# KiCad board FSKGroundStation.kicad_pcb
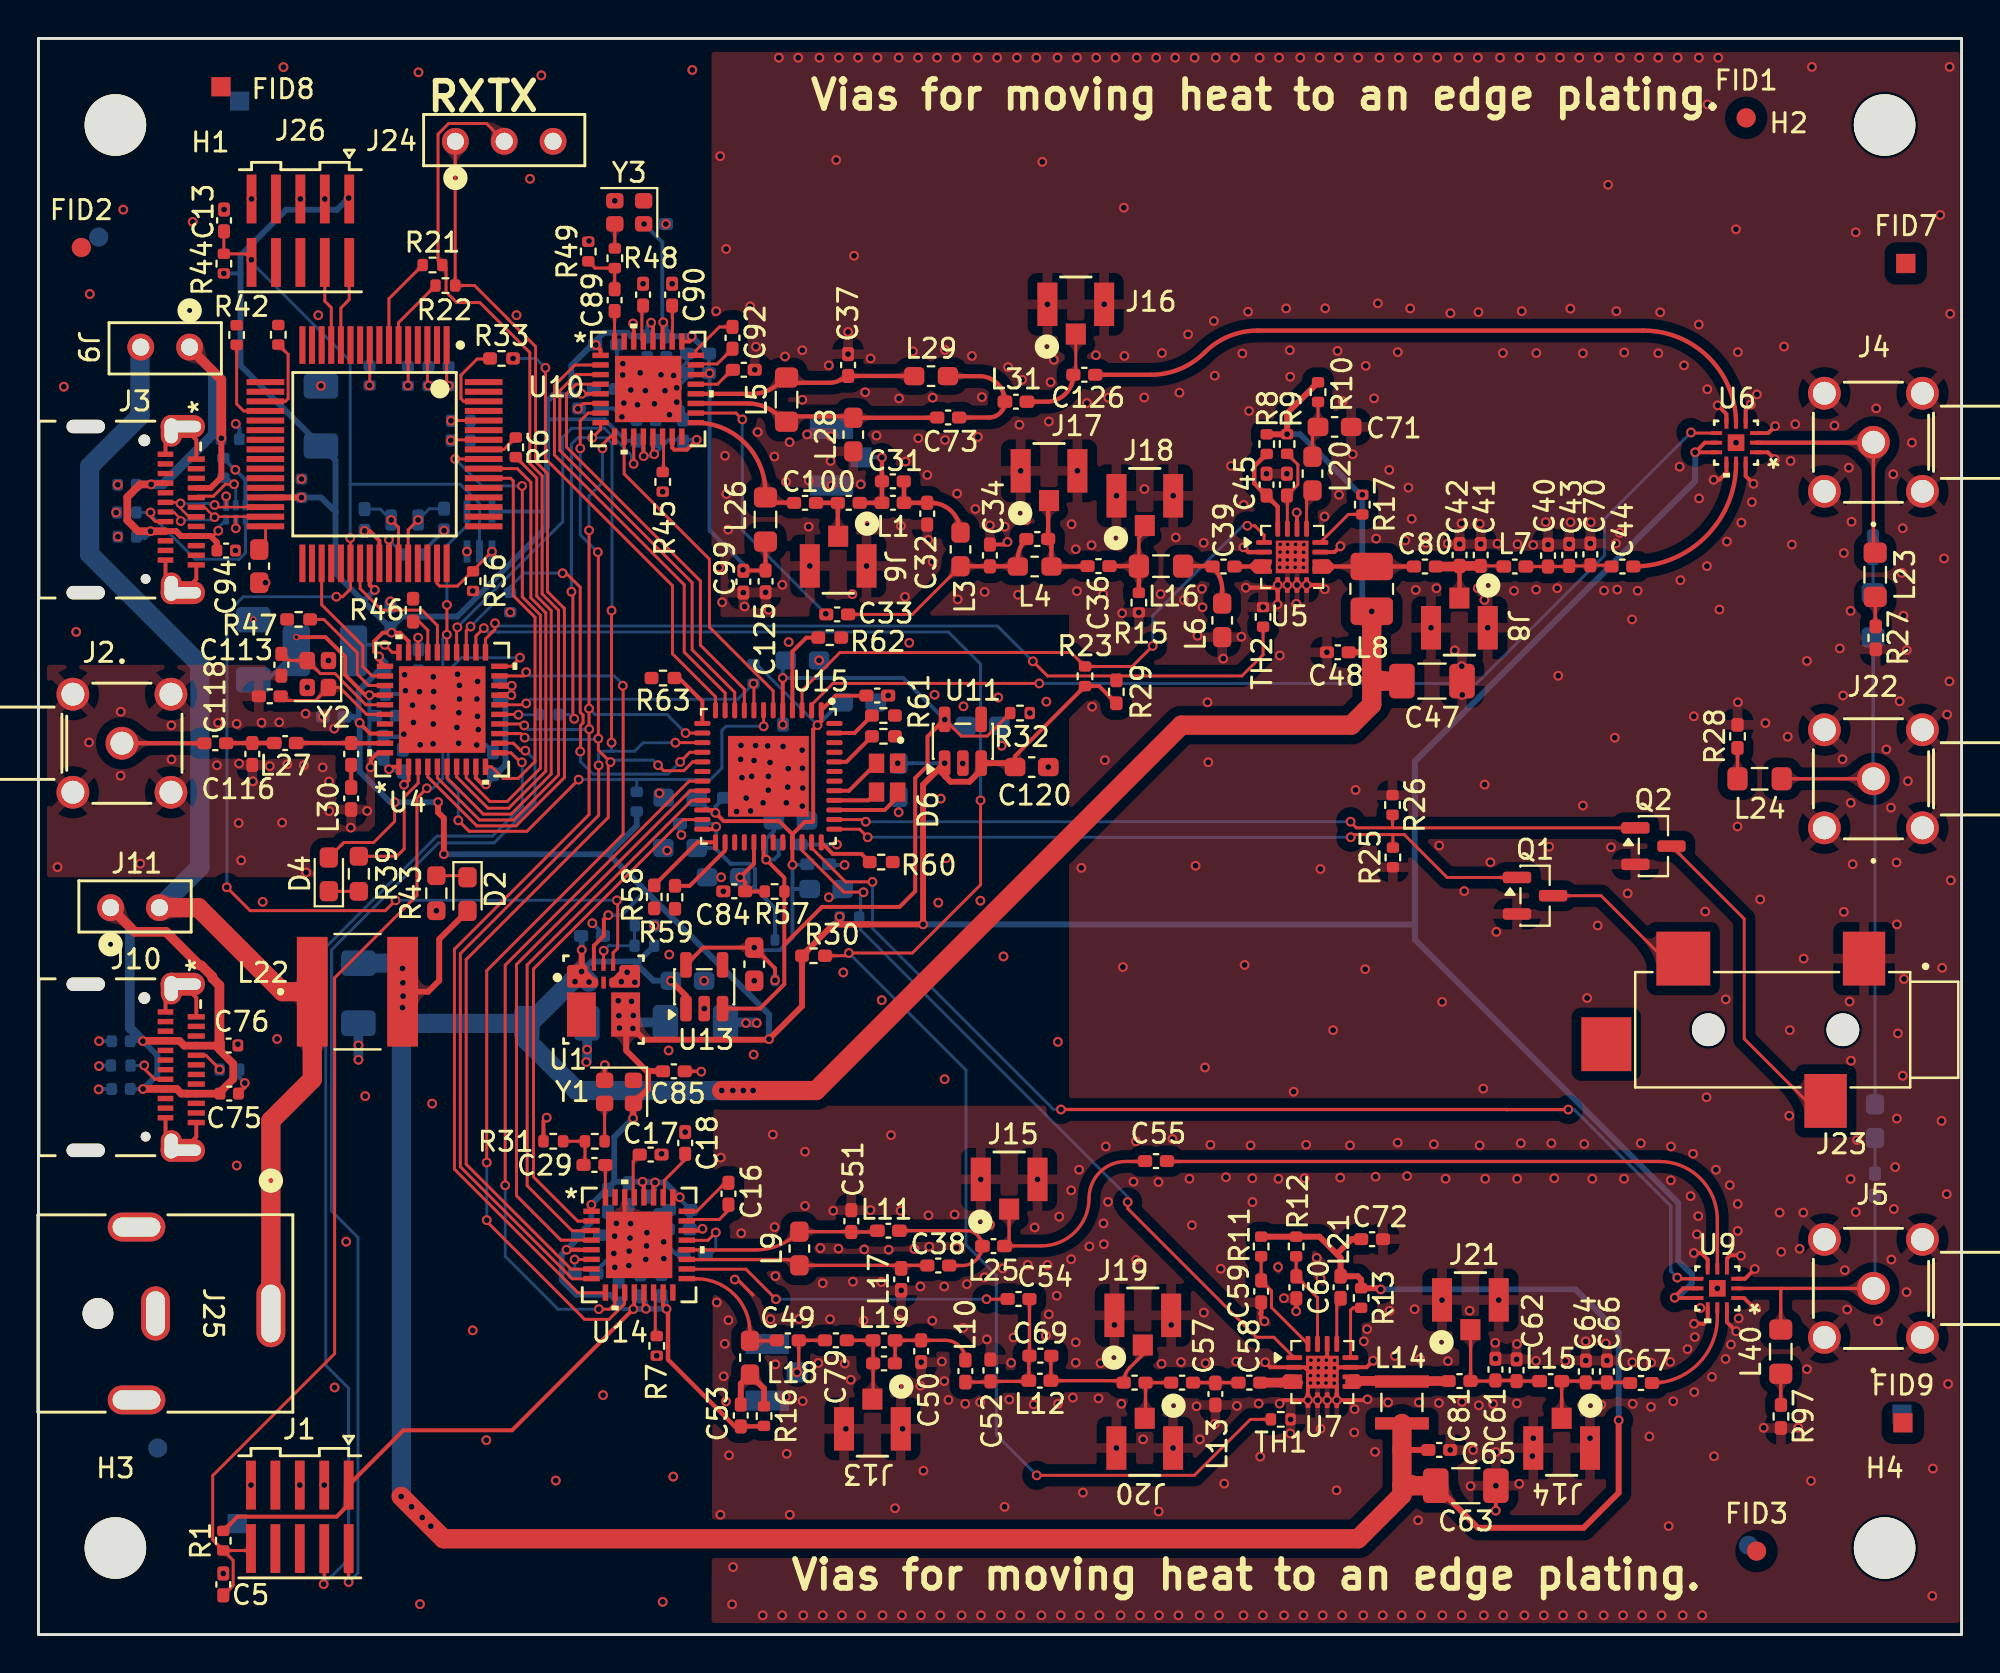
[diagram p0: board, top side]
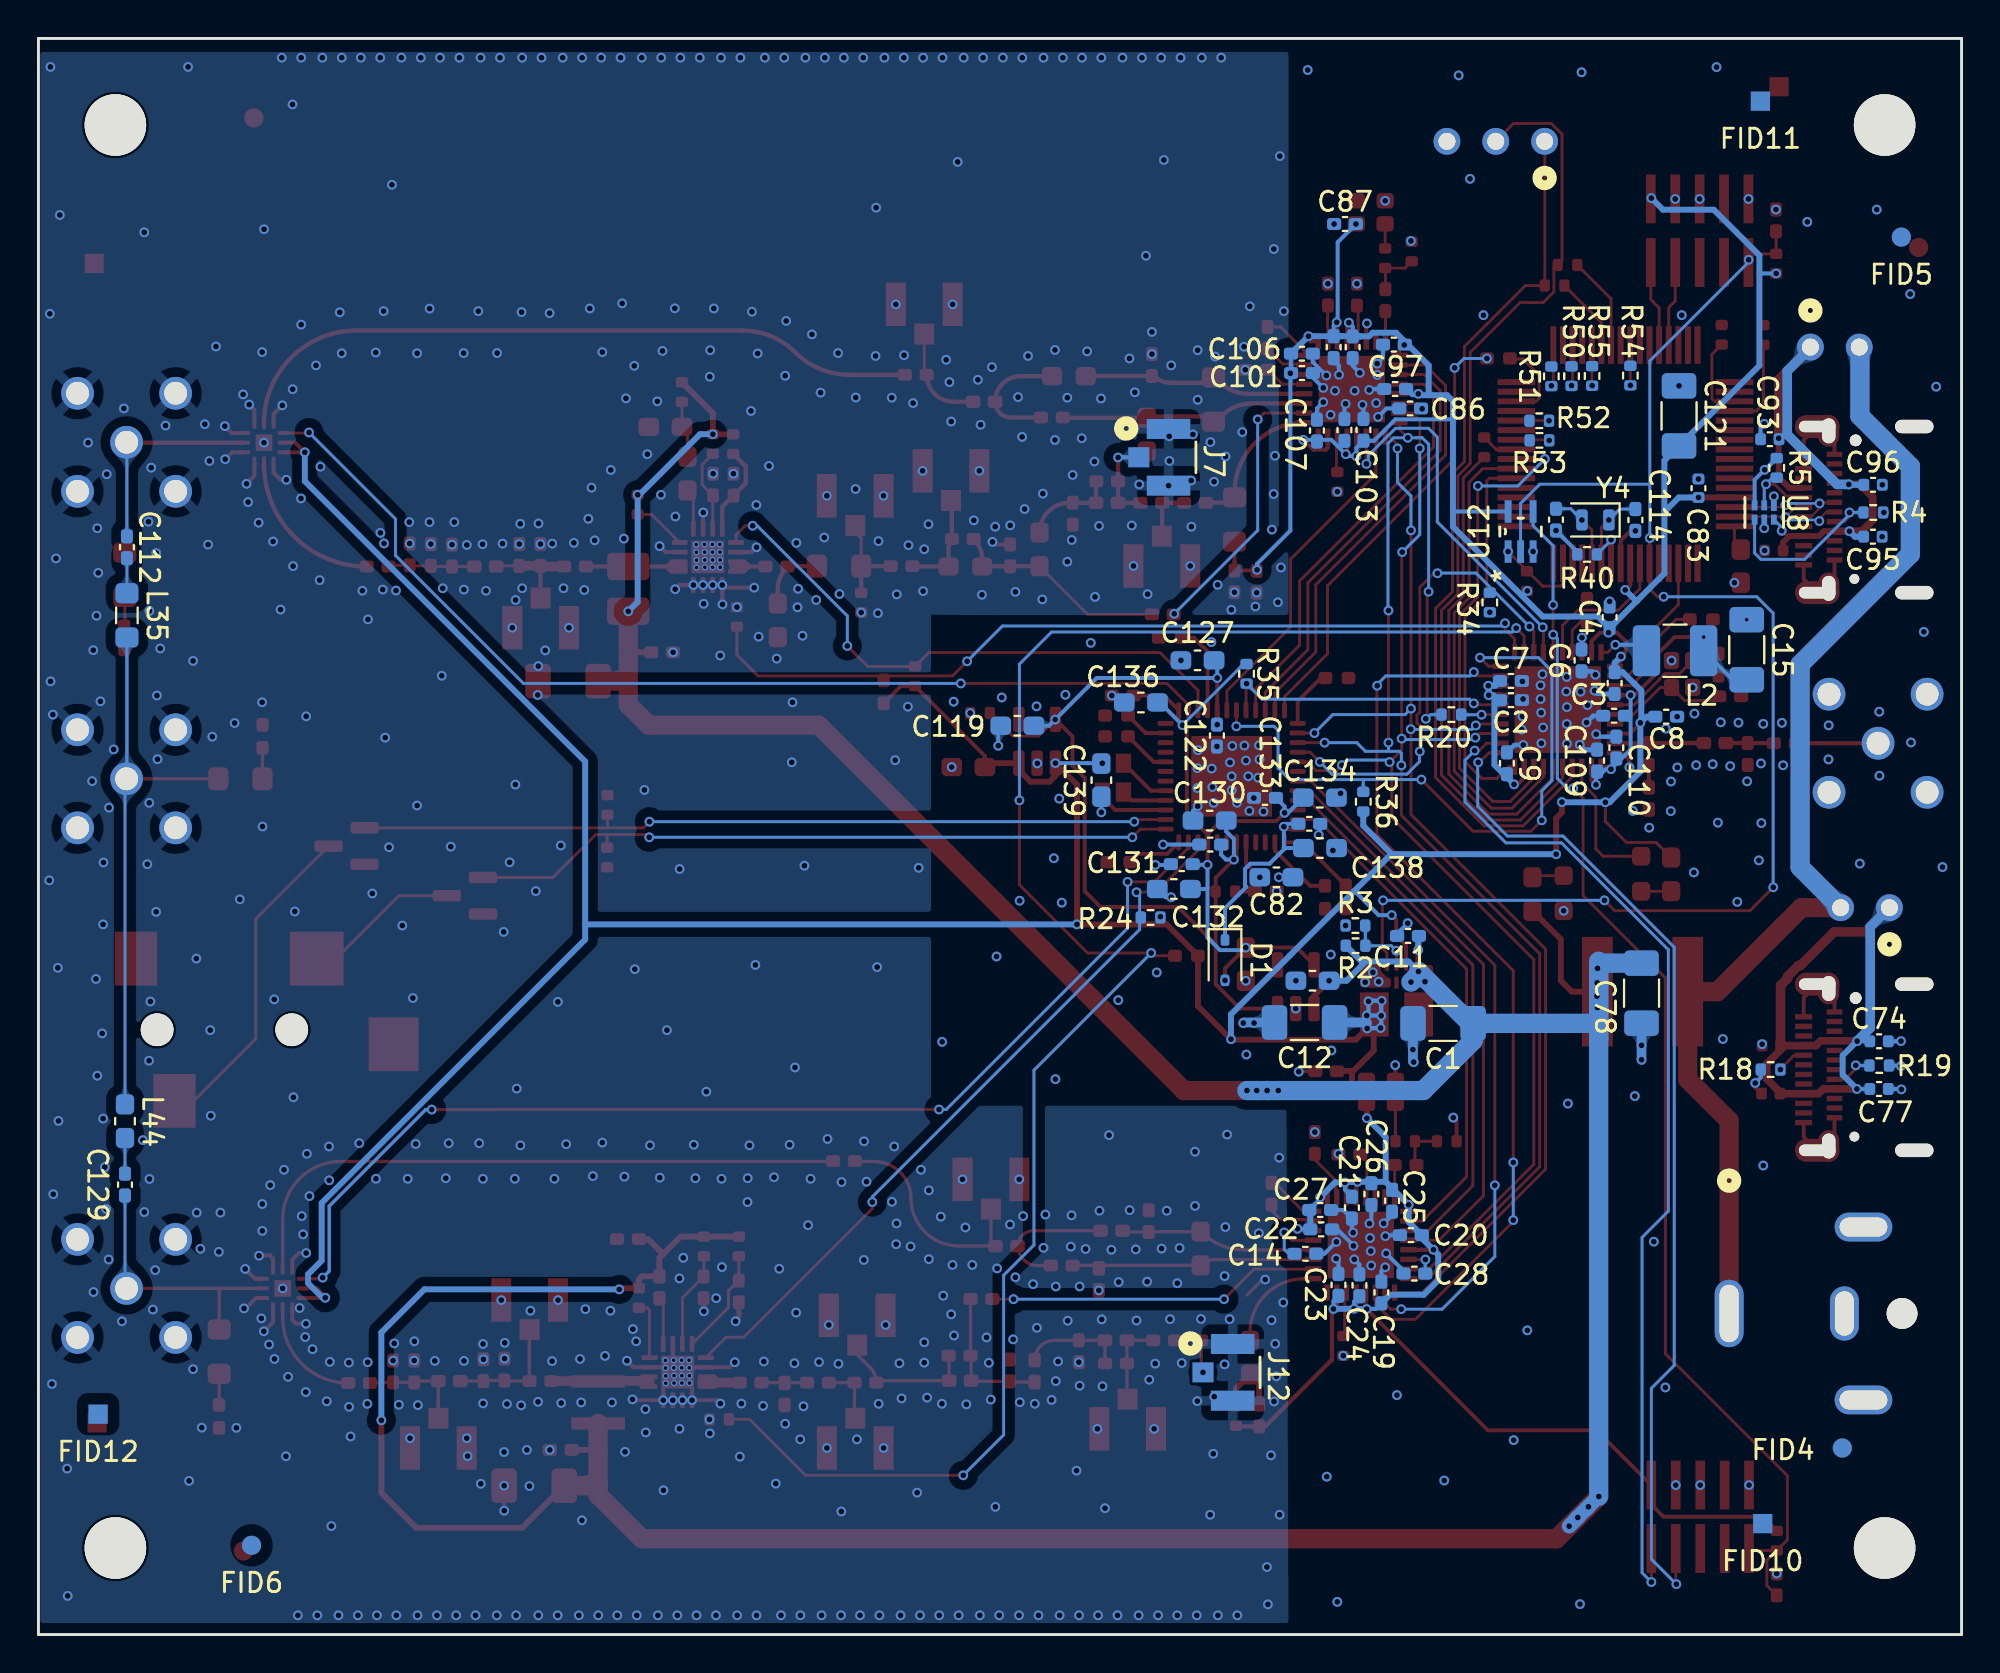
[diagram p1: board, bottom side, seen from below]

Outline 100 x 83 mm; copper layers: Top Components.Cu, GND.Cu (plane), GND2.Cu, BackComponets.Cu. Coordinates in mm from the lower left corner of the outline.
Outline path: 0,83 0,0 100,0 100,83 0,83
Stack: Top Components.Cu 0.035mm / dielectric 0.109mm FR4 er 4.5 / GND.Cu 0.03mm / dielectric 1.23mm FR4 er 4.5 / GND2.Cu 0.03mm / dielectric 0.109mm FR4 er 4.5 / BackComponets.Cu 0.035mm

## Placement (name value [footprint] x y rotation side)
C1  10uF  [C_1206_3216Metric_Pad1.33x1.80mm_HandSolder]  26.96 31.78 0 bottom
C2  100nF  [C_0402_1005Metric_Pad0.74x0.62mm_HandSolder]  23.43 48.59 0 bottom
C3  100nF  [C_0402_1005Metric_Pad0.74x0.62mm_HandSolder]  18.04 49.48 90 bottom
C4  100nF  [C_0402_1005Metric_Pad0.74x0.62mm_HandSolder]  18.3 52.9 270 bottom
C5  100nF  [C_0402_1005Metric_Pad0.74x0.62mm_HandSolder]  9.61 2.61 270 top
C6  100nF  [C_0402_1005Metric_Pad0.74x0.62mm_HandSolder]  19.76 50.66 90 bottom
C7  100nF  [C_0402_1005Metric_Pad0.74x0.62mm_HandSolder]  23.43 49.59 0 bottom
C8  100nF  [C_0402_1005Metric_Pad0.74x0.62mm_HandSolder]  15.36 47.73 0 bottom
C9  100nF  [C_0402_1005Metric_Pad0.74x0.62mm_HandSolder]  23.64 45.31 270 bottom
C10  .47uF  [C_0603_1608Metric_Pad1.08x0.95mm_HandSolder]  11.48 55.56 90 top
C11  100nF  [C_0402_1005Metric_Pad0.74x0.62mm_HandSolder]  28.78 36.33 0 bottom
C12  22uF  [C_1206_3216Metric_Pad1.33x1.80mm_HandSolder]  34.16 31.83 0 bottom
C13  100nF  [C_0402_1005Metric_Pad0.74x0.62mm_HandSolder]  9.65 73.54 270 top
C14  10nF  [C_0402_1005Metric_Pad0.74x0.62mm_HandSolder]  34.12 19.8 0 bottom
C15  10uF  [C_1206_3216Metric_Pad1.33x1.80mm_HandSolder]  11.17 51.21 270 bottom
C16  1nF  [C_0402_1005Metric_Pad0.74x0.62mm_HandSolder]  35.88 22.92 90 top
C17  47nF  [C_0402_1005Metric_Pad0.74x0.62mm_HandSolder]  31.83 24.96 180 top
C18  47nF  [C_0402_1005Metric_Pad0.74x0.62mm_HandSolder]  33.63 25.56 270 top
C19  47nF  [C_0402_1005Metric_Pad0.74x0.62mm_HandSolder]  30.17 17.79 270 bottom
C20  47nF  [C_0402_1005Metric_Pad0.74x0.62mm_HandSolder]  28.63 20.77 180 bottom
C21  47nF  [C_0402_1005Metric_Pad0.74x0.62mm_HandSolder]  31.7 22.2 90 bottom
C22  47nF  [C_0402_1005Metric_Pad0.74x0.62mm_HandSolder]  33.3 21.07 0 bottom
C23  47nF  [C_0402_1005Metric_Pad0.74x0.62mm_HandSolder]  32.4 18.18 270 bottom
C24  47nF  [C_0402_1005Metric_Pad0.74x0.62mm_HandSolder]  31.31 18.16 270 bottom
C25  47nF  [C_0402_1005Metric_Pad0.74x0.62mm_HandSolder]  29.61 22.56 90 bottom
C26  47nF  [C_0402_1005Metric_Pad0.74x0.62mm_HandSolder]  30.69 22.9 90 bottom
C27  47nF  [C_0402_1005Metric_Pad0.74x0.62mm_HandSolder]  33.35 22.08 0 bottom
C28  220nF  [C_0402_1005Metric_Pad0.74x0.62mm_HandSolder]  28.45 18.77 180 bottom
C29  1nF  [C_0402_1005Metric_Pad0.74x0.62mm_HandSolder]  28.91 24.42 180 top
C30  680pF  [C_0402_1005Metric_Pad0.74x0.62mm_HandSolder]  42.14 58.85 0 top
C31  12pF 1%  [C_0402_1005Metric_Pad0.74x0.62mm_HandSolder]  44.43 59.97 0 top
C32  12pF 1%  [C_0402_1005Metric_Pad0.74x0.62mm_HandSolder]  46.22 58.29 90 top
C33  1nF  [C_0402_1005Metric_Pad0.74x0.62mm_HandSolder]  41.53 53.05 0 top  (not fitted)
C34  15pF 1%  [C_0402_1005Metric_Pad0.74x0.62mm_HandSolder]  49.47 56.12 270 top
C35  1.2pF  [C_0402_1005Metric_Pad0.74x0.62mm_HandSolder]  51.94 56.97 0 top
C36  680pF  [C_0402_1005Metric_Pad0.74x0.62mm_HandSolder]  55.12 55.56 0 top
C37  12pF 1%  [C_0402_1005Metric_Pad0.74x0.62mm_HandSolder]  42.1 66.02 270 top
C38  5.1pF 1%  [C_0402_1005Metric_Pad0.74x0.62mm_HandSolder]  46.79 19.19 0 top
C39  220pF  [C_0402_1005Metric_Pad0.74x0.62mm_HandSolder]  61.62 55.54 0 top
C40  47pF 1%  [C_0402_1005Metric_Pad0.74x0.62mm_HandSolder]  78.5 56.11 270 top
C41  100pF 1%  [C_0402_1005Metric_Pad0.74x0.62mm_HandSolder]  75 56.14 270 top
C42  270pF 1%  [C_0402_1005Metric_Pad0.74x0.62mm_HandSolder]  73.9 56.14 270 top
C43  47pF 1%  [C_0402_1005Metric_Pad0.74x0.62mm_HandSolder]  79.6 56.14 270 top
C44  220pF  [C_0402_1005Metric_Pad0.74x0.62mm_HandSolder]  82.37 55.54 0 top
C45  1nF  [C_0402_1005Metric_Pad0.74x0.62mm_HandSolder]  63.86 59.8 270 top
C46  1nF  [C_0402_1005Metric_Pad0.74x0.62mm_HandSolder]  64.92 59.8 270 top
C47  10uF 10V  [C_1206_3216Metric_Pad1.33x1.80mm_HandSolder]  72.46 49.58 180 top
C48  0  [C_0402_1005Metric_Pad0.74x0.62mm_HandSolder]  67.57 51.08 0 top  (not fitted)
C49  39pF 1%  [C_0402_1005Metric_Pad0.74x0.62mm_HandSolder]  38.97 15.3 0 top
C50  5.1pF 1%  [C_0402_1005Metric_Pad0.74x0.62mm_HandSolder]  45.9 14.73 90 top
C51  5.1pF 1%  [C_0402_1005Metric_Pad0.74x0.62mm_HandSolder]  42.27 21.5 270 top
C52  6.2pF 1%  [C_0402_1005Metric_Pad0.74x0.62mm_HandSolder]  49.5 13.73 270 top
C53  56pF 1%  [C_0402_1005Metric_Pad0.74x0.62mm_HandSolder]  36.52 11.39 270 top
C54  0  [C_0402_1005Metric_Pad0.74x0.62mm_HandSolder]  50.97 17.45 0 top  (not fitted)
C55  1nF  [C_0402_1005Metric_Pad0.74x0.62mm_HandSolder]  58.11 24.62 0 top
C56  100pF  [C_0402_1005Metric_Pad0.74x0.62mm_HandSolder]  57 13.1 0 top
C57  10pF 1%  [C_0402_1005Metric_Pad0.74x0.62mm_HandSolder]  59.47 13.1 0 top
C58  33pF 1%  [C_0402_1005Metric_Pad0.74x0.62mm_HandSolder]  62.97 13.1 0 top
C59  1nF  [C_0402_1005Metric_Pad0.74x0.62mm_HandSolder]  63.58 17.84 90 top
C60  1nF  [C_0402_1005Metric_Pad0.74x0.62mm_HandSolder]  65.41 18.05 90 top
C61  33pF 1%  [C_0402_1005Metric_Pad0.74x0.62mm_HandSolder]  75.76 13.78 270 top
C62  2pF 1%  [C_0402_1005Metric_Pad0.74x0.62mm_HandSolder]  76.86 13.75 270 top
C63  10uF  [C_1206_3216Metric_Pad1.33x1.80mm_HandSolder]  74.22 7.74 180 top
C64  27pF 1%  [C_0402_1005Metric_Pad0.74x0.62mm_HandSolder]  80.46 13.68 270 top
C65  1nF  [C_0402_1005Metric_Pad0.74x0.62mm_HandSolder]  72.84 9.6 180 top
C66  5.6pF 1%  [C_0402_1005Metric_Pad0.74x0.62mm_HandSolder]  81.56 13.68 270 top
C67  100pF  [C_0402_1005Metric_Pad0.74x0.62mm_HandSolder]  83.33 13.08 0 top
C68  2.2pF 1%  [C_0402_1005Metric_Pad0.74x0.62mm_HandSolder]  43.97 14.1 0 top
C69  0  [C_0402_1005Metric_Pad0.74x0.62mm_HandSolder]  52.1 14.5 0 top  (not fitted)
C70  18pF 1%  [C_0402_1005Metric_Pad0.74x0.62mm_HandSolder]  80.7 56.17 270 top
C71  1uF  [C_0603_1608Metric_Pad1.08x0.95mm_HandSolder]  67.4 62.8 180 top
C72  100nF  [C_0402_1005Metric_Pad0.74x0.62mm_HandSolder]  69.35 20.56 180 top
C73  12pF 1%  [C_0402_1005Metric_Pad0.74x0.62mm_HandSolder]  47.3 63.29 0 top
C74  100nF  [C_0402_1005Metric]  4.29 30.85 180 bottom
C75  100nF  [C_0402_1005Metric]  9.92 28.13 0 top
C76  100nF  [C_0402_1005Metric]  9.89 30.63 0 top
C77  100nF  [C_0402_1005Metric]  4.29 28.37 180 bottom
C78  22uF  [C_1206_3216Metric_Pad1.33x1.80mm_HandSolder]  16.64 33.35 90 bottom
C79  100pF  [C_0402_1005Metric_Pad0.74x0.62mm_HandSolder]  41.47 15.3 0 top
C80  220pF  [C_0402_1005Metric_Pad0.74x0.62mm_HandSolder]  72.1 55.54 0 top
C81  100pF  [C_0402_1005Metric_Pad0.74x0.62mm_HandSolder]  73.9 13.18 0 top
C82  4.7uF  [C_0603_1608Metric_Pad1.08x0.95mm_HandSolder]  35.63 39.38 0 bottom
C83  100nF  [C_0402_1005Metric]  13.68 59.61 270 bottom
C84  100nF  [C_0402_1005Metric_Pad0.74x0.62mm_HandSolder]  36.18 38.65 0 top
C85  100nF  [C_0402_1005Metric_Pad0.74x0.62mm_HandSolder]  33.04 29.29 180 top
C86  220nF  [C_0402_1005Metric_Pad0.74x0.62mm_HandSolder]  28.67 63.76 180 bottom
C87  100nF  [C_0402_1005Metric_Pad0.74x0.62mm_HandSolder]  32.06 73.35 180 bottom
C88  10nF  [C_0402_1005Metric_Pad0.74x0.62mm_HandSolder]  36.68 65.77 180 top
C89  1nF  [C_0402_1005Metric_Pad0.74x0.62mm_HandSolder]  29.96 69.39 90 top
C90  47nF  [C_0402_1005Metric_Pad0.74x0.62mm_HandSolder]  32.95 69.68 270 top
C91  47nF  [C_0402_1005Metric_Pad0.74x0.62mm_HandSolder]  31.44 69.68 270 top
C92  1nF  [C_0402_1005Metric_Pad0.74x0.62mm_HandSolder]  36.09 67.43 90 top
C93  100nF  [C_0402_1005Metric]  9.97 62.16 0 bottom
C94  100nF  [C_0402_1005Metric]  9.76 56.37 0 top
C95  100nF  [C_0402_1005Metric]  4.61 57.09 180 bottom
C96  100nF  [C_0402_1005Metric]  4.6 59.79 180 bottom
C97  47nF  [C_0402_1005Metric_Pad0.74x0.62mm_HandSolder]  29.45 64.77 180 bottom
C98  47nF  [C_0402_1005Metric_Pad0.74x0.62mm_HandSolder]  31.66 66.94 90 bottom
C99  100pF  [C_0402_1005Metric_Pad0.74x0.62mm_HandSolder]  36.65 54.75 90 top
C100  82pF 1%  [C_0402_1005Metric_Pad0.74x0.62mm_HandSolder]  39.86 58.85 0 top
C101  47nF  [C_0402_1005Metric_Pad0.74x0.62mm_HandSolder]  34.3 65.6 0 bottom
C102  47nF  [C_0402_1005Metric_Pad0.74x0.62mm_HandSolder]  32.09 62.64 270 bottom
C103  47nF  [C_0402_1005Metric_Pad0.74x0.62mm_HandSolder]  31.1 62.65 270 bottom
C104  47nF  [C_0402_1005Metric_Pad0.74x0.62mm_HandSolder]  29.52 67.08 180 bottom
C105  47nF  [C_0402_1005Metric_Pad0.74x0.62mm_HandSolder]  32.65 66.95 90 bottom
C106  47nF  [C_0402_1005Metric_Pad0.74x0.62mm_HandSolder]  34.3 66.61 0 bottom
C107  47nF  [C_0402_1005Metric_Pad0.74x0.62mm_HandSolder]  33.52 62.61 270 bottom
C108  100nF  [C_0402_1005Metric_Pad0.74x0.62mm_HandSolder]  18.07 47.78 180 bottom
C109  100nF  [C_0402_1005Metric_Pad0.74x0.62mm_HandSolder]  18.95 45.45 270 bottom
C110  100nF  [C_0402_1005Metric_Pad0.74x0.62mm_HandSolder]  17.95 46.12 270 bottom
C111  0  [C_0402_1005Metric_Pad0.74x0.62mm_HandSolder]  12.03 48.79 0 top  (not fitted)
C112  5pF ±.1  [C_0402_1005Metric_Pad0.74x0.62mm_HandSolder]  95.4 56.54 270 bottom
C113  0  [C_0402_1005Metric_Pad0.74x0.62mm_HandSolder]  12.63 50.43 90 top  (not fitted)
C114  15pF  [C_0402_1005Metric_Pad0.74x0.62mm_HandSolder]  16.96 57.96 90 bottom
C115  15pF  [C_0402_1005Metric_Pad0.74x0.62mm_HandSolder]  21.09 57.98 90 bottom
C116  1.2pF  [C_0402_1005Metric_Pad0.74x0.62mm_HandSolder]  11.12 45.79 90 top
C117  .82pF  [C_0402_1005Metric_Pad0.74x0.62mm_HandSolder]  16.26 45.79 90 top
C118  15pF  [C_0402_1005Metric_Pad0.74x0.62mm_HandSolder]  9.19 46.35 180 top
C119  1uF  [C_0603_1608Metric_Pad1.08x0.95mm_HandSolder]  49.1 47.26 180 bottom
C120  1uF  [C_0603_1608Metric_Pad1.08x0.95mm_HandSolder]  51.65 45.11 180 top
C121  10uF 10V  [C_1206_3216Metric_Pad1.33x1.80mm_HandSolder]  14.69 63.37 270 bottom
C122  100nF  [C_0402_1005Metric_Pad0.74x0.62mm_HandSolder]  38.72 46.75 90 bottom
C123  1uF  [C_0603_1608Metric_Pad1.08x0.95mm_HandSolder]  33.75 34 180 bottom
C124  1uF  [C_0603_1608Metric_Pad1.08x0.95mm_HandSolder]  37.22 34.86 90 top
C125  10nF  [C_0402_1005Metric_Pad0.74x0.62mm_HandSolder]  37.81 54.77 90 top
C126  2.2nF  [C_0402_1005Metric_Pad0.74x0.62mm_HandSolder]  54.38 65.51 0 top
C127  4.7uF  [C_0603_1608Metric_Pad1.08x0.95mm_HandSolder]  39.73 50.66 180 bottom
C128  100nF  [C_0402_1005Metric_Pad0.74x0.62mm_HandSolder]  39.07 41.08 180 bottom
C129  14pF 1%  [C_0402_1005Metric_Pad0.74x0.62mm_HandSolder]  95.5 23.4 270 bottom
C130  4.7uF  [C_0603_1608Metric_Pad1.08x0.95mm_HandSolder]  39.1 42.33 180 bottom
C131  100nF  [C_0402_1005Metric_Pad0.74x0.62mm_HandSolder]  40.55 40.06 180 bottom
C132  4.7uF  [C_0603_1608Metric_Pad1.08x0.95mm_HandSolder]  40.96 38.77 180 bottom
C133  100nF  [C_0402_1005Metric_Pad0.74x0.62mm_HandSolder]  36.22 43.51 180 bottom
C134  4.7uF  [C_0603_1608Metric_Pad1.08x0.95mm_HandSolder]  33.37 43.52 0 bottom
C135  100nF  [C_0402_1005Metric_Pad0.74x0.62mm_HandSolder]  43.62 48.83 180 top
C136  4.7uF  [C_0603_1608Metric_Pad1.08x0.95mm_HandSolder]  42.67 48.47 180 bottom
C137  100nF  [C_0402_1005Metric_Pad0.74x0.62mm_HandSolder]  33.92 42.16 0 bottom
C138  4.7uF  [C_0603_1608Metric_Pad1.08x0.95mm_HandSolder]  33.36 40.9 0 bottom
C139  4.7uF  [C_0603_1608Metric_Pad1.08x0.95mm_HandSolder]  44.73 44.43 90 bottom
D1  1N5819WS  [D_SOD-323]  38.3 35.07 270 bottom
D2  BLUE LED  [LED_0603_1608Metric_Pad1.05x0.95mm_HandSolder]  22.31 38.5 270 top
D4  YELLOW LED  [LED_0603_1608Metric_Pad1.05x0.95mm_HandSolder]  15.1 39.53 90 top
D6  CLMVC-FKA-CLBDGL7LBB79353  [LED_CLMVC-FKA-CLBDGL7LBB79353]  44.13 44.56 270 top
FID1  Fiducial (round)  [Fiducial_1mm_Mask2mm]  88.8 78.87 0 top
FID2  Fiducial (round)  [Fiducial_1mm_Mask2mm]  2.23 72.13 0 top
FID3  Fiducial (round)  [Fiducial_1mm_Mask2mm]  89.34 4.34 0 top
FID4  Fiducial (round)  [Fiducial_1mm_Mask2mm]  6.2 9.7 0 bottom
FID5  Fiducial (round)  [Fiducial_1mm_Mask2mm]  3.13 72.67 0 bottom
FID6  Fiducial (round)  [Fiducial_1mm_Mask2mm]  88.92 4.64 0 bottom
FID7  Fiducial (square)  [Fiducial_Square_1mm_Mask2mm]  97.1 71.3 0 top
FID8  Fiducial (square)  [Fiducial_Square_1mm_Mask2mm]  9.49 80.49 0 top
FID9  Fiducial (square)  [Fiducial_Square_1mm_Mask2mm]  96.95 11.01 0 top
FID10  Fiducial (square)  [Fiducial_Square_1mm_Mask2mm]  10.34 5.77 0 bottom
FID11  Fiducial (square)  [Fiducial_Square_1mm_Mask2mm]  10.46 79.74 0 bottom
FID12  Fiducial (square)  [Fiducial_Square_1mm_Mask2mm]  96.9 11.46 0 bottom
H1  M3 Mount (MTS-14 and  97790503111)  [MountingHole_3.2mm_M3]  4 78.5 0 top
H2  M3 Mount (MTS-14 and  97790503111)  [MountingHole_3.2mm_M3]  96 78.5 0 top
H3  M3 Mount (MTS-14 and  97790503111)  [MountingHole_3.2mm_M3]  4 4.5 0 top
H4  M3 Mount (MTS-14 and  97790503111)  [MountingHole_3.2mm_M3]  96 4.5 0 top
J1  -  [FTSH-105-01-L-DV-K]  13.59 6.12 180 top
J2  BWSMA-KWE-Z001  [CONN_BWSMA-KWE-Z001_BAT]  4.34 46.35 90 top
J3  CX90B1-24P  [CX90B1-24P_HIR]  4.23 58.5 270 top
J4  BWSMA-KWE-Z001  [CONN_BWSMA-KWE-Z001_BAT]  95.42 62 270 top
J5  BWSMA-KWE-Z001  [CONN_BWSMA-KWE-Z001_BAT]  95.42 18 270 top
J6  ~  [CONN1_CONUFL_TEC]  41.58 55.57 180 top  (not fitted)
J7  ~  [CONN1_CONUFL_TEC]  41.24 61.22 270 bottom  (not fitted)
J8  ~  [CONN1_CONUFL_TEC]  73.89 52.36 180 top  (not fitted)
J9  HTSW-102-07-G-S  [CON2_1X2_TU_TSW]  6.59 66.95 180 top
J10  CX90B1-24P  [CX90B1-24P_HIR]  4.23 29.5 270 top
J11  HTSW-102-07-G-S  [CON2_1X2_TU_TSW]  5.02 37.8 0 top
J12  ~  [CONN1_CONUFL_TEC]  37.9 13.63 270 bottom  (not fitted)
J13  ~  [CONN1_CONUFL_TEC]  43.37 10.7 180 top  (not fitted)
J14  ~  [CONN1_CONUFL_TEC]  79.2 9.7 180 top  (not fitted)
J15  ~  [CONN1_CONUFL_TEC]  50.47 23.67 0 top  (not fitted)
J16  ~  [CONN1_CONUFL_TEC]  53.94 69.17 0 top  (not fitted)
J17  ~  [CONN1_CONUFL_TEC]  52.55 60.51 0 top  (not fitted)
J18  ~  [CONN1_CONUFL_TEC]  57.53 59.22 0 top  (not fitted)
J19  ~  [CONN1_CONUFL_TEC]  57.42 16.6 0 top  (not fitted)
J20  ~  [CONN1_CONUFL_TEC]  57.52 9.7 180 top  (not fitted)
J21  ~  [CONN1_CONUFL_TEC]  74.46 17.4 0 top  (not fitted)
J22  BWSMA-KWE-Z001  [CONN_BWSMA-KWE-Z001_BAT]  95.42 44.5 270 top
J23  SJ-3524-SMT  [CUI_SJ-3524-SMT]  93.83 31.45 180 top
J24  HTSW-103-07-G-S  [CON3_1X3_TU_TSW]  24.22 77.65 0 top
J25  PJ-063BH  [PJ-063BH_CUD]  12.08 16.7 270 top
J26  -  [FTSH-105-01-L-DV-K]  13.62 73 180 top
L1  18nH 2%  [L_0402_1005Metric_Pad0.77x0.64mm_HandSolder]  44.44 58.85 0 top
L2  6.8uH  [L_1210_3225Metric_Pad1.42x2.65mm_HandSolder]  14.9 51.16 0 bottom
L3  100nH 2%  [L_0603_1608Metric_Pad1.05x0.95mm_HandSolder]  47.94 56.43 270 top
L4  68nH 2%  [L_0603_1608Metric_Pad1.05x0.95mm_HandSolder]  51.8 55.54 0 top
L5  150nH  [L_0805_2012Metric_Pad1.05x1.20mm_HandSolder]  38.9 64.22 90 top
L6  68nH 2%  [L_0603_1608Metric_Pad1.05x0.95mm_HandSolder]  61.56 52.74 90 top
L7  9.1nH 2%  [L_0402_1005Metric_Pad0.77x0.64mm_HandSolder]  76.77 55.54 0 top
L8  1uH  [L_1008_2520Metric_Pad1.43x2.20mm_HandSolder]  69.33 54.38 270 top
L9  56nH  [L_0603_1608Metric_Pad1.05x0.95mm_HandSolder]  39.57 20.07 90 top
L10  43nH 2%  [L_0402_1005Metric_Pad0.77x0.64mm_HandSolder]  48.2 13.7 270 top
L11  27nH 2%  [L_0402_1005Metric_Pad0.77x0.64mm_HandSolder]  44.19 21 0 top
L12  22nH 2%  [L_0402_1005Metric_Pad0.77x0.64mm_HandSolder]  52.07 13.2 0 top
L13  10nH 2%  [L_0402_1005Metric_Pad0.77x0.64mm_HandSolder]  61.2 12.51 90 top
L14  23nH  [IND_0908SQ-23NJLC]  70.9 12.07 90 top
L15  2.2nH 2%  [L_0402_1005Metric_Pad0.77x0.64mm_HandSolder]  78.63 13.18 0 top
L16  150nH 2%  [L_0805_2012Metric_Pad1.05x1.20mm_HandSolder]  58.37 55.56 0 top
L17  27nH 2%  [L_0402_1005Metric_Pad0.77x0.64mm_HandSolder]  44.86 18.47 90 top
L18  56nH  [L_0603_1608Metric_Pad1.05x0.95mm_HandSolder]  37 14.4 270 top
L19  15nH 2%  [L_0402_1005Metric_Pad0.77x0.64mm_HandSolder]  43.97 15.3 0 top
L20  56nH  [L_0603_1608Metric_Pad1.05x0.95mm_HandSolder]  66.25 60.37 90 top
L21  20nH  [L_0402_1005Metric_Pad0.77x0.64mm_HandSolder]  67.71 18.06 90 top
L22  6.8uH 3A  [IND_1255AY-6R8M=P3]  16.59 33.43 0 top
L23  470nH  [L_0805_2012Metric_Pad1.05x1.20mm_HandSolder]  95.51 55.11 270 top
L24  470nH  [L_0805_2012Metric_Pad1.05x1.20mm_HandSolder]  89.5 44.5 180 top
L25  15nH 2%  [L_0402_1005Metric_Pad0.77x0.64mm_HandSolder]  49.66 20.2 0 top
L26  220nH  [L_0805_2012Metric_Pad1.05x1.20mm_HandSolder]  37.8 57.99 270 top
L27  3.4nH 2%  [L_0402_1005Metric_Pad0.77x0.64mm_HandSolder]  12.83 46.36 180 top
L28  82nH 2%  [L_0603_1608Metric_Pad1.05x0.95mm_HandSolder]  42.37 62.4 90 top
L29  82nH 2%  [L_0603_1608Metric_Pad1.05x0.95mm_HandSolder]  46.42 65.44 0 top
L30  1.1nH 2%  [L_0402_1005Metric_Pad0.77x0.64mm_HandSolder]  16.26 43.48 90 top
L31  39nH 2%  [L_0402_1005Metric_Pad0.77x0.64mm_HandSolder]  50.83 64.11 0 top
L35  220nH 2%  [L_0805_2012Metric_Pad1.05x1.20mm_HandSolder]  95.4 53 270 bottom
L40  470nH  [L_0805_2012Metric_Pad1.05x1.20mm_HandSolder]  90.6 14.71 270 top
L44  27nH 2%  [L_0603_1608Metric_Pad1.05x0.95mm_HandSolder]  95.5 26.69 270 bottom
Q1  BSS138  [SOT-23]  77.82 38.42 0 top
Q2  BSS138  [SOT-23]  83.98 41 0 top
R1  10K  [R_0402_1005Metric]  9.61 4.88 90 top
R2  62K  [R_0402_1005Metric]  31.51 35.82 0 bottom
R3  30K  [R_0402_1005Metric]  31.52 36.87 180 bottom
R4  5.1K  [R_0402_1005Metric]  4.59 58.35 0 bottom
R5  5.1K  [R_0402_1005Metric]  9.61 60.67 270 bottom
R6  22Ω  [R_0402_1005Metric]  24.82 61.74 270 top
R7  56K 1%  [R_0402_1005Metric]  32.15 15.01 90 top
R8  1.96K 1%  [R_0402_1005Metric]  63.87 61.9 90 top
R9  6.04K 1%  [R_0402_1005Metric]  64.93 61.91 270 top
R10  0Ω  [R_0402_1005Metric]  66.54 64.61 270 top
R11  1.96K 1%  [R_0402_1005Metric]  63.58 20.18 90 top
R12  6.04K 1%  [R_0402_1005Metric]  65.4 20.18 90 top
R13  0Ω  [R_0402_1005Metric]  68.78 17.5 270 top
R14  0Ω  [R_0402_1005Metric]  28.93 25.65 0 top
R15  348Ω 1%  [R_0402_1005Metric]  57.22 53.66 90 top
R16  18Ω  [R_0402_1005Metric]  37.73 11.36 270 top
R17  0Ω  [R_0402_1005Metric]  68.84 58.76 270 top
R18  5.1K  [R_0402_1005Metric]  9.93 29.38 180 bottom
R19  5.1K  [R_0402_1005Metric]  4.28 29.59 0 bottom
R20  22Ω  [R_0402_1005Metric]  26.53 47.84 180 bottom
R21  0Ω  [R_0402_1005Metric]  20.49 71.22 0 top
R22  0Ω  [R_0402_1005Metric]  21.16 70.15 0 top
R23  10K  [R_0402_1005Metric]  54.42 49.83 270 top
R24  10K  [R_0402_1005Metric]  42.17 37.29 180 bottom
R25  10K  [R_0402_1005Metric]  70.43 40.41 90 top
R26  10K  [R_0402_1005Metric]  70.41 43.14 270 top
R27  10K  [R_0402_1005Metric_Pad0.72x0.64mm_HandSolder]  95.54 51.83 270 top
R28  10K  [R_0402_1005Metric_Pad0.72x0.64mm_HandSolder]  88.35 46.71 90 top
R29  10K 1%  [R_0402_1005Metric_Pad0.72x0.64mm_HandSolder]  56.05 49.02 90 top
R30  10K 1%  [R_0402_1005Metric_Pad0.72x0.64mm_HandSolder]  40.3 35.3 0 top
R31  0Ω  [R_0402_1005Metric]  26.77 25.65 0 top  (not fitted)
R32  10K  [R_0402_1005Metric]  51.04 47.92 180 top
R33  22Ω  [R_0402_1005Metric_Pad0.72x0.64mm_HandSolder]  24.08 66.36 0 top
R34  10K  [R_0402_1005Metric]  24.53 53.67 90 bottom
R35  10K  [R_0402_1005Metric]  37.18 49.96 90 bottom
R36  10K  [R_0402_1005Metric]  31.11 43.31 270 bottom
R37  0Ω  [R_0402_1005Metric_Pad0.72x0.64mm_HandSolder]  43.94 46.71 0 top  (not fitted)
R39  3KΩ  [R_0603_1608Metric_Pad0.98x0.95mm_HandSolder]  16.66 39.56 90 top
R40  100KΩ 0.1%  [R_0402_1005Metric]  19.47 56.17 180 bottom
R41  0Ω  [R_0402_1005Metric]  12.47 67.59 90 top  (not fitted)
R42  0Ω  [R_0402_1005Metric]  10.3 67.58 90 top  (not fitted)